# Altium PCB AN_IF_Converter_V1.0.PcbDoc (part 1 of 2) (continued)
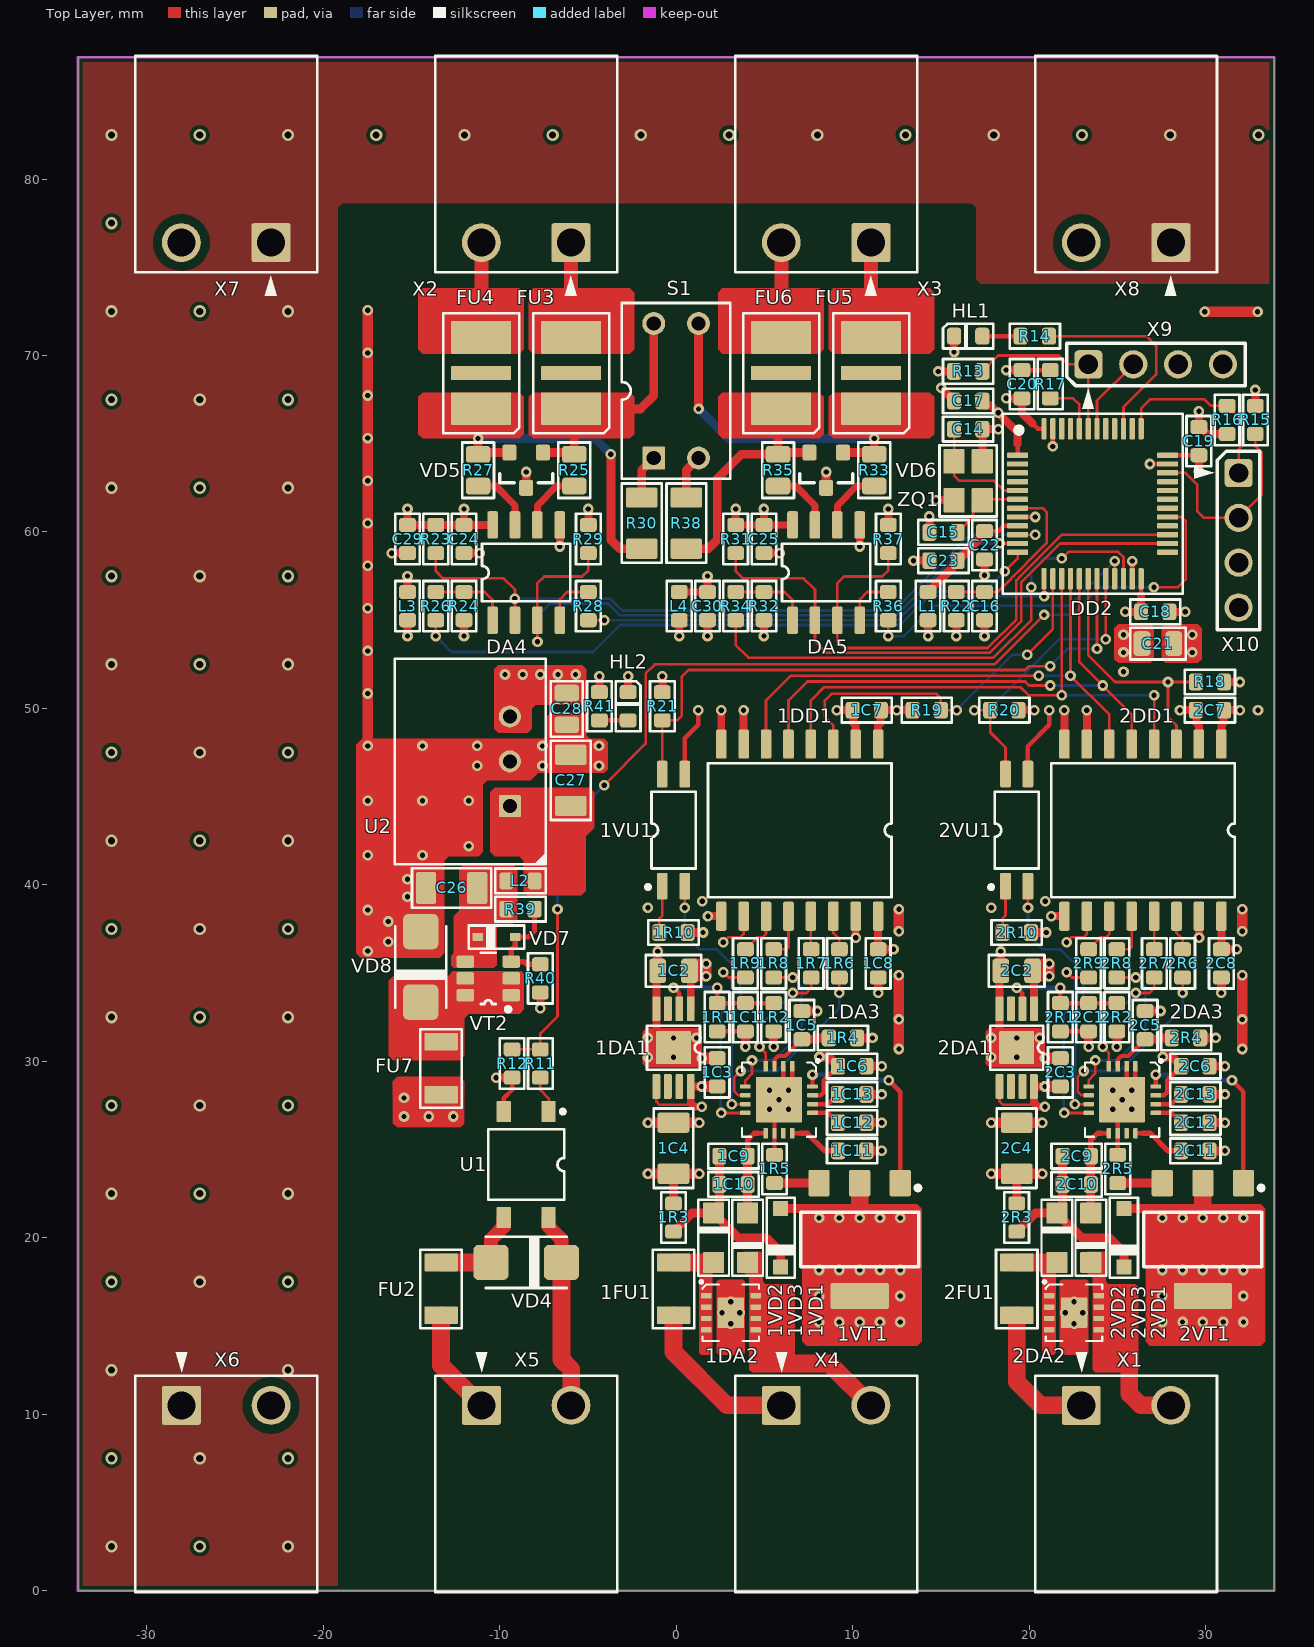
[diagram p0: Top Layer view]
## Components (designator, comment, footprint, x,y, rotation, side; value= is the part's Value field where it differs from the comment)
1C1 "1nF" C0603N 3.925,32.5 r90 top (schematic designator C1)
1C2 "4.7uF" C0805N -0.15,35.125 r180 top (schematic designator C2)
1C3 "0.1uF" C0603N 2.325,29.375 r270 top (schematic designator C3)
1C4 "4.7uF" C1206N -0.15,25.075 r90 top (schematic designator C4)
1C5 "0.1uF" C0603N 7.125,32.05 r90 top (schematic designator C5)
1C6 "0.1uF" C0603N 9.975,29.725 r180 top (schematic designator C6)
1C7 "0.1uF" C0603N 10.8,49.9 r180 top (schematic designator C7)
1C8 "0.1uF" C0603N 11.45,35.55 r90 top (schematic designator C8)
1C9 "0.1uF" C0603N 3.25,24.625 r0 top (schematic designator C9)
1C10 "1uF" C0603N 3.25,23.025 r0 top (schematic designator C10)
1C11 "2.2nF" C0603N 9.975,24.925 r180 top (schematic designator C11)
1C12 "2.2nF" C0603N 9.975,26.525 r180 top (schematic designator C12)
1C13 "2.2nF" C0603N 9.975,28.125 r180 top (schematic designator C13)
1DA1 "TPS79801QDGNRQ1" DGN0008B -0.15,30.775 r180 top (schematic designator DA1)
1DA2 "TVS3301DRBR" DRB0008A 3.1,15.75 r270 top (schematic designator DA2)
1DA3 "DAC161S997RGHR" RGH0016A 5.825,27.825 r180 top (schematic designator DA3)
1DD1 "ADUM1401ARWZ" SOIC16_W 7,43.1 r180 top (schematic designator DD1)
1FU1 "50mA" 0ZCJ_0.85 -0.15,17.1 r90 top (schematic designator FU1)
1R1 "158k" R0603N 2.325,32.5 r90 top (schematic designator R1)
1R2 "100k" R0603N 5.525,32.5 r270 top (schematic designator R2)
1R3 "100" R0603N -0.15,21.15 r270 top (schematic designator R3)
1R4 "22" R0603N 9.45,31.325 r180 top (schematic designator R4)
1R5 "22" R0603N 5.575,23.9 r90 top (schematic designator R5)
1R6 "22" R0603N 9.25,35.55 r90 top (schematic designator R6)
1R7 "22" R0603N 7.65,35.55 r90 top (schematic designator R7)
1R8 "22" R0603N 5.525,35.55 r90 top (schematic designator R8)
1R9 "22" R0603N 3.925,35.55 r90 top (schematic designator R9)
1R10 "300" R0603N -0.15,37.3 r180 top (schematic designator R10)
1VD1 "MMSZ5228BT1G" SOD123 5.925,20 r90 top (schematic designator VD1)
1VD2 "PMEG6010CEH,115" SOD123F 2.125,20 r270 top (schematic designator VD2)
1VD3 "PMEG6010CEH,115" SOD123F 4.05,20 r90 top (schematic designator VD3)
1VT1 "PZT3904T1G" SOT223 10.4,19.9 r270 top (schematic designator VT1)
1VU1 "FODM217AR2" "MFP4 2.5x4.4" -0.15,43.1 r0 top (schematic designator VU1)
2C1 "1nF" C0603N 23.375,32.5 r90 top (schematic designator C1)
2C2 "4.7uF" C0805N 19.3,35.125 r180 top (schematic designator C2)
2C3 "0.1uF" C0603N 21.775,29.375 r270 top (schematic designator C3)
2C4 "4.7uF" C1206N 19.3,25.075 r90 top (schematic designator C4)
2C5 "0.1uF" C0603N 26.575,32.05 r90 top (schematic designator C5)
2C6 "0.1uF" C0603N 29.425,29.725 r180 top (schematic designator C6)
2C7 "0.1uF" C0603N 30.25,49.9 r180 top (schematic designator C7)
2C8 "0.1uF" C0603N 30.9,35.55 r90 top (schematic designator C8)
2C9 "0.1uF" C0603N 22.7,24.625 r0 top (schematic designator C9)
2C10 "1uF" C0603N 22.7,23.025 r0 top (schematic designator C10)
2C11 "2.2nF" C0603N 29.425,24.925 r180 top (schematic designator C11)
2C12 "2.2nF" C0603N 29.425,26.525 r180 top (schematic designator C12)
2C13 "2.2nF" C0603N 29.425,28.125 r180 top (schematic designator C13)
2DA1 "TPS79801QDGNRQ1" DGN0008B 19.3,30.775 r180 top (schematic designator DA1)
2DA2 "TVS3301DRBR" DRB0008A 22.55,15.75 r270 top (schematic designator DA2)
2DA3 "DAC161S997RGHR" RGH0016A 25.275,27.825 r180 top (schematic designator DA3)
2DD1 "ADUM1401ARWZ" SOIC16_W 26.45,43.1 r180 top (schematic designator DD1)
2FU1 "50mA" 0ZCJ_0.85 19.3,17.1 r90 top (schematic designator FU1)
2R1 "158k" R0603N 21.775,32.5 r90 top (schematic designator R1)
2R2 "100k" R0603N 24.975,32.5 r270 top (schematic designator R2)
2R3 "100" R0603N 19.3,21.15 r270 top (schematic designator R3)
2R4 "22" R0603N 28.9,31.325 r180 top (schematic designator R4)
2R5 "22" R0603N 25.025,23.9 r90 top (schematic designator R5)
2R6 "22" R0603N 28.7,35.55 r90 top (schematic designator R6)
2R7 "22" R0603N 27.1,35.55 r90 top (schematic designator R7)
2R8 "22" R0603N 24.975,35.55 r90 top (schematic designator R8)
2R9 "22" R0603N 23.375,35.55 r90 top (schematic designator R9)
2R10 "300" R0603N 19.3,37.3 r180 top (schematic designator R10)
2VD1 "MMSZ5228BT1G" SOD123 25.375,20 r90 top (schematic designator VD1)
2VD2 "PMEG6010CEH,115" SOD123F 21.575,20 r270 top (schematic designator VD2)
2VD3 "PMEG6010CEH,115" SOD123F 23.5,20 r90 top (schematic designator VD3)
2VT1 "PZT3904T1G" SOT223 29.85,19.9 r270 top (schematic designator VT1)
2VU1 "FODM217AR2" "MFP4 2.5x4.4" 19.3,43.1 r0 top (schematic designator VU1)
C14 "10pF" C0603N 16.55,65.825 r0 top
C15 "10pF" C0603N 15.15,59.975 r180 top
C16 "0.1uF" C0603N 17.475,55.8 r270 top
C17 "0.1uF" C0603N 16.55,67.425 r0 top
C18 "0.1uF" C0603N 27.15,55.475 r180 top
C19 "0.1uF" C0603N 29.625,65.15 r270 top
C20 "0.1uF" C0603N 19.6,68.375 r270 top
C21 "4.7uF" C0805N 27.3,53.675 r180 top
C22 "0.1uF" C0603N 17.475,59.25 r90 top
C23 "1uF" C0603N 15.15,58.375 r180 top
C24 "0.1uF" C0603N -12.025,59.6 r270 top
C25 "0.1uF" C0603N 4.975,59.6 r270 top
C26 "4.7uF" C1206N -12.725,39.825 r180 top
C27 "4.7uF" C1206N -5.975,45.925 r90 top
C28 "4.7uF" C0805N -6.2,49.975 r90 top
C29 "1uF" C0603N -15.225,59.6 r270 top
C30 "1uF" C0603N 1.775,55.8 r270 top
DA4 "ADM3483ARZ" SOIC8 -8.5,57.7 r90 top
DA5 "ADM3483ARZ" SOIC8 8.5,57.7 r90 top
DD2 "STM32F103C8T6" LQFP48 23.6,61.6 r270 top
FU2 "50mA" 0ZCJ_0.85 -13.325,17.1 r90 top
FU3 "200mA" TBU-CA -5.95,69 r90 top
FU4 "200mA" TBU-CA -11.05,69 r90 top
FU5 "200mA" TBU-CA 11.05,69 r90 top
FU6 "200mA" TBU-CA 5.95,69 r90 top
FU7 "100mA" 0ZCJ_0.85 -13.325,29.6 r270 top
HL1 "KP-1608MGC" LED0603 16.55,71.1 r0 top
HL2 "KP-1608SURC" LED0603 -2.725,50.125 r270 top
L1 "600 @ 100MHz" FB0603N 14.275,55.8 r90 top
L2 "220 @ 100MHz" FB0603N -8.825,40.225 r0 top
L3 "220 @ 100MHz" FB0603N -15.225,55.8 r90 top
L4 "220 @ 100MHz" FB0603N 0.175,55.8 r90 top
R11 "560" R0603N -7.7,29.875 r90 top
R12 "10k" R0603N -9.3,29.875 r270 top
R13 "10k" R0603N 16.55,69.1 r180 top
R14 "1k" R0603N 20.325,71.1 r180 top
R15 "10k" R0603N 32.825,66.35 r90 top
R16 "10k" R0603N 31.225,66.35 r270 top
R17 "10k" R0603N 21.2,68.375 r90 top
R18 "10k" R0603N 30.25,51.5 r0 top
R19 "10k" R0603N 14.2,49.9 r180 top
R20 "10k" R0603N 18.6,49.9 r0 top
R21 "10k" R0603N -0.785,50.125 r90 top
R22 "10k" R0603N 15.875,55.8 r270 top
R23 "10k" R0603N -13.625,59.6 r270 top
R24 "10k" R0603N -12.025,55.8 r90 top
R25 "22" R0805N -5.775,63.5 r270 top
R26 "22" R0603N -13.625,55.8 r270 top
R27 "22" R0805N -11.225,63.5 r270 top
R28 "22" R0603N -4.975,55.8 r270 top
R29 "10k" R0603N -4.975,59.6 r90 top
R30 "120" R1206N -1.95,60.5 r270 top
R31 "10k" R0603N 3.375,59.6 r270 top
R32 "10k" R0603N 4.975,55.8 r90 top
R33 "22" R0805N 11.225,63.5 r270 top
R34 "22" R0603N 3.375,55.8 r270 top
R35 "22" R0805N 5.775,63.5 r270 top
R36 "22" R0603N 12.025,55.8 r270 top
R37 "10k" R0603N 12.025,59.6 r90 top
R38 "120" R1206N 0.575,60.5 r270 top
R39 "10k" R0603N -8.825,38.625 r0 top
R40 "10k" R0603N -7.7,34.7 r270 top
R41 "1k" R0603N -4.35,50.125 r270 top
S1 "DS1040-02RN" DIP_SWITCH_02P_STR_RA_TH 0,68 r0 top
U1 "PRAB31S" SOP4 -8.5,24.15 r180 top
U2 "R-78E3.3-0.5" DC-DC_SIP3 -11.675,47 r0 top
VD4 "SMAJ58CA-TR" SMA -8.5,18.6 r180 top
VD5 "CDSOT23-SM712" SOT23 -8.5,63.5 r180 top
VD6 "CDSOT23-SM712" SOT23 8.5,63.5 r180 top
VD7 "BZX384-B15,115" SOD323 -10.175,37.05 r0 top
VD8 "SMAJ24CA-TR" SMA -14.475,35.35 r90 top
VT2 "FDC5614P" TSOT23-6 -10.65,34.7 r90 top
X1 "2EDGR-5.08-02P-14-00A(H)" 2EDGR-5.08-02P-14-00A(H) 25.5,6.05 r0 top
X2 "2EDGR-5.08-02P-14-00A(H)" 2EDGR-5.08-02P-14-00A(H) -8.5,80.85 r180 top
X3 "2EDGR-5.08-02P-14-00A(H)" 2EDGR-5.08-02P-14-00A(H) 8.5,80.85 r180 top
X4 "2EDGR-5.08-02P-14-00A(H)" 2EDGR-5.08-02P-14-00A(H) 8.5,6.05 r0 top
X5 "2EDGR-5.08-02P-14-00A(H)" 2EDGR-5.08-02P-14-00A(H) -8.5,6.05 r0 top
X6 "2EDGR-5.08-02P-14-00A(H)" 2EDGR-5.08-02P-14-00A(H) -25.5,6.05 r0 top
X7 "2EDGR-5.08-02P-14-00A(H)" 2EDGR-5.08-02P-14-00A(H) -25.5,80.85 r180 top
X8 "2EDGR-5.08-02P-14-00A(H)" 2EDGR-5.08-02P-14-00A(H) 25.5,80.85 r180 top
X9 "DS1021-1X4SF11-B" 2.54_1X4_HEADER 27.175,69.5 r0 top
X10 "DS1021-1X4SF11-B" 2.54_1X4_HEADER 31.875,59.53 r270 top
ZQ1 "16MHz" NX3225GA 16.55,62.9 r90 top

## Footprints (in the part's own frame and the unit in brackets; to place one, negate y for a bottom-side part, rotate by r counter-clockwise, add the part's x,y. Pads: shape width x height; smd on the part's side, far side on the other; paste and mask are expansions set on the pad)
0ZCJ_0.85 [mm] "0ZCJ Surface Mount PTC, 0.85mm max height"
  rrect10% 1x1.9 smd: 1(-1.5,0) 2(1.5,0)
  silkscreen extent -2.22,-1.17 2.22,1.17, body extent -1.7,-0.85 1.7,0.85, height 0.71
2.54_1X4_HEADER [mm] "Header 2.54mm pitch, 4 pos, 1 row"
  rrect30% 1.6x1.6 hole 1.1: 1(-3.81,0)
  round 1.6 hole 1.1: 2(-1.27,0) 3(1.27,0) 4(3.81,0)
  silkscreen extent -5.04,-2.52 5.08,1.2, body extent -5.08,-1.27 5.08,1.27, height 8.57
2EDGR-5.08-02P-14-00A(H) [mm] "Pluggable terminal block, 5.08mm pitch, angled 90, 2 position"
  rrect10% 2.2x2.2 hole 1.6: 1(-2.54,4.45)
  round 2.2 hole 1.6: 2(2.54,4.45)
  silkscreen extent -5.15,-6.12 5.15,7.47, body extent -5.08,-6.05 5.08,6.05, height 8.3
C0603N [mm]
  rrect40% 0.8x0.95 smd: 1(-0.8,0) 2(0.8,0)
  silkscreen extent -1.43,-0.7 1.43,0.7, body extent -0.8,-0.4 0.8,0.4, height 0.81
C0805N [mm]
  rrect40% 0.95x1.4 smd: 1(-0.9,0) 2(0.9,0)
  silkscreen extent -1.58,-0.9 1.58,0.9, body extent -1,-0.62 1,0.63, height 1.26
C1206N [mm]
  rrect20% 1.15x1.8 smd: 1(-1.45,0) 2(1.45,0)
  silkscreen extent -2.25,-1.12 2.25,1.12, body extent -1.6,-0.8 1.6,0.8, height 1.61
DC-DC_SIP3 [mm] "DC-DC SIP3 Package, 11.6mm x 8.5mm, 10.4mm height"
  rrect10% 1.25x1.25 hole 0.8: 1(2.25,-2.54)
  round 1.25 hole 0.8: 2(2.25,0) 3(2.25,2.54)
  silkscreen extent -4.28,-5.82 4.28,5.82, body extent -4.25,-5.8 4.25,5.8, height 10.41
DGN0008B [mm] "DGN0008B (HVSSOP8) Package, 1.1mm height"
  rrect30% 0.45x1.4 smd mask+0.05: 1(-0.975,-2.2) 2(-0.325,-2.2) 3(0.325,-2.2) 4(0.975,-2.2) 5(0.975,2.2) 6(0.325,2.2) 7(-0.325,2.2) 8(-0.975,2.2)
  rrect5% 1.98x1.88 smd mask+0.05: 9(0,0)
  silkscreen extent -1.5,-1.25 1.5,1.25, body extent -1.5,-2.45 1.5,2.45, height 1.1
DIP_SWITCH_02P_STR_RA_TH [mm] "DIP Switch, 2 Poles, Straight, Raised Actuator, Through hole"
  rrect10% 1.3x1.3 hole 0.8 mask+0.05: 1(-1.27,-3.81)
  round 1.3 hole 0.8 mask+0.05: 2(1.27,-3.81) 3(1.27,3.81) 4(-1.27,3.81)
  silkscreen extent -3.08,-4.97 3.08,4.97, body extent -3.04,-4.95 3.04,4.95, height 6.9
DRB0008A [mm] "DRB0008A (VSON8)"
  rrect30% 0.31x0.6 smd mask+0.05: 1(-0.975,-1.4) 2(-0.325,-1.4) 3(0.325,-1.4) 4(0.975,-1.4) 5(0.975,1.4) 6(0.325,1.4) 7(-0.325,1.4) 8(-0.975,1.4)
  rrect10% 1.75x1.5 smd paste-10 mask+0.05: 9(0,0)
  Top Layer region: -1.7,-0.26 -1.7,-0.39 -1.696,-0.409 -1.685,-0.425 -1.669,-0.436 -1.65,-0.44 -1.65,-0.44 1.65,-0.44 1.669,-0.436 1.685,-0.425 1.696,-0.409 1.7,-0.39 1.7,-0.39 1.7,-0.26 1.696,-0.241 1.685,-0.225 1.669,-0.214 1.65,-0.21 1.65,-0.21 -1.65,-0.21 -1.669,-0.214 -1.685,-0.225 -1.696,-0.241 -1.7,-0.26
  Top Layer region: -1.7,0.26 -1.7,0.39 -1.696,0.409 -1.685,0.425 -1.669,0.436 -1.65,0.44 -1.65,0.44 1.65,0.44 1.669,0.436 1.685,0.425 1.696,0.409 1.7,0.39 1.7,0.39 1.7,0.26 1.696,0.241 1.685,0.225 1.669,0.214 1.65,0.21 1.65,0.21 -1.65,0.21 -1.669,0.214 -1.685,0.225 -1.696,0.241 -1.7,0.26
  silkscreen extent -1.82,-1.75 1.6,1.6, body extent -1.5,-1.5 1.5,1.5, height 0.77
FB0603N [mm] "Ferrite Bead 0603"
  rrect40% 0.8x0.95 smd: 1(-0.8,0) 2(0.8,0)
  silkscreen extent -1.43,-0.7 1.43,0.7, body extent -0.8,-0.4 0.8,0.4, height 0.8
LED0603 [mm] "LED SMD 0603"
  rrect40% 0.8x0.95 smd: 1(-0.8,0) 2(0.8,0)
  silkscreen extent -1.43,-0.7 1.43,0.7, body extent -0.8,-0.4 0.8,0.4, height 0.7
LQFP48 [mm] "Plastic quad flatpack (LQFP-48)"
  rrect35% 0.3x1.2 smd: 1(-2.75,-4.25) 2(-2.25,-4.25) 3(-1.75,-4.25) 4(-1.25,-4.25) 5(-0.75,-4.25) 6(-0.25,-4.25) 7(0.25,-4.25) 8(0.75,-4.25) 9(1.25,-4.25) 10(1.75,-4.25) 11(2.25,-4.25) 12(2.75,-4.25) 25(2.75,4.25) 26(2.25,4.25) 27(1.75,4.25) 28(1.25,4.25) 29(0.75,4.25) 30(0.25,4.25) 31(-0.25,4.25) 32(-0.75,4.25) 33(-1.25,4.25) 34(-1.75,4.25) 35(-2.25,4.25) 36(-2.75,4.25)
  rrect35% 1.2x0.3 smd: 13(4.25,-2.75) 14(4.25,-2.25) 15(4.25,-1.75) 16(4.25,-1.25) 17(4.25,-0.75) 18(4.25,-0.25) 19(4.25,0.25) 20(4.25,0.75) 21(4.25,1.25) 22(4.25,1.75) 23(4.25,2.25) 24(4.25,2.75) 37(-4.25,2.75) 38(-4.25,2.25) 39(-4.25,1.75) 40(-4.25,1.25) 41(-4.25,0.75) 42(-4.25,0.25) 43(-4.25,-0.25) 44(-4.25,-0.75) 45(-4.25,-1.25) 46(-4.25,-1.75) 47(-4.25,-2.25) 48(-4.25,-2.75)
  silkscreen extent -5.1,-5.1 5.1,5.1, body extent -4.51,-4.51 4.51,4.51, height 1.46
"MFP4 2.5x4.4" [mm] "MFP4 2.5x4.4, 1.27P  CASE 100AL  ISSUE O"
  rrect30% 0.61x1.52 smd: 1(-0.635,-3.175) 2(0.635,-3.175) 3(0.635,3.175) 4(-0.635,3.175)
  silkscreen extent -1.55,-3.32 1.25,2.17, body extent -1.43,-3.5 1.43,3.5, height 2.1
NX3225GA [mm] "Crystal Unit, 3.20mm x 2.50mm"
  rrect10% 1.4x1.2 smd: 1(-1.1,-0.8) 2(-1.1,0.8) 2(1.1,-0.8) 3(1.1,0.8)
  silkscreen extent -2.02,-1.63 2.02,1.63, body extent -1.65,-1.29 1.65,1.3, height 0.74
R0603N [mm]
  rrect40% 0.8x0.95 smd: 1(-0.8,0) 2(0.8,0)
  silkscreen extent -1.43,-0.7 1.43,0.7, body extent -0.8,-0.4 0.8,0.4, height 0.45
R0805N [mm]
  rrect40% 0.95x1.4 smd: 1(-0.9,0) 2(0.9,0)
  silkscreen extent -1.58,-0.9 1.58,0.9, body extent -1,-0.62 1,0.62, height 0.56
R1206N [mm]
  rrect20% 1.15x1.8 smd: 1(-1.45,0) 2(1.45,0)
  silkscreen extent -2.25,-1.12 2.25,1.12, body extent -1.55,-0.8 1.55,0.8, height 0.65
RGH0016A [mm] "WQFN16 with Exposed Pad, 4x4x0.8mm"
  rrect30% 0.25x0.6 smd: 1(-0.75,-1.9) 2(-0.25,-1.9) 3(0.25,-1.9) 4(0.75,-1.9) 9(0.75,1.9) 10(0.25,1.9) 11(-0.25,1.9) 12(-0.75,1.9)
  rrect30% 0.6x0.25 smd: 5(1.9,-0.75) 6(1.9,-0.25) 7(1.9,0.25) 8(1.9,0.75) 13(-1.9,0.75) 14(-1.9,0.25) 15(-1.9,-0.25) 16(-1.9,-0.75)
  rrect5% 2.6x2.6 smd paste-0.07: 17(0,0)
  silkscreen extent -2.28,-2.28 2.1,2.1, body extent -2,-2 2,2, height 0.77
SMA [mm] "SMA Package"
  rrect30% 2x2 smd: 1(-2,0) 2(2,0)
  silkscreen extent -2.3,-1.45 2.3,1.45, body extent -2.56,-1.35 2.56,1.35, height 1.96
SOD123 [mm] "SOD?123 CASE 425?04 ISSUE G"
  rrect10% 0.85x0.85 smd: 1(-1.65,0) 2(1.65,0)
  silkscreen extent -2.27,-0.8 2.27,0.8, body extent -1.85,-0.77 1.85,0.78, height 1.25
SOD123F [mm] "SOD123F Package"
  rrect10% 1.2x1.2 smd mask+0.05: 1(-1.4,0) 2(1.4,0)
  silkscreen extent -2.15,-0.88 2.15,0.87, body extent -1.9,-0.9 1.9,0.9, height 1.02
SOD323 [mm] "SOD323 Package"
  rrect10% 0.59x0.45 smd: 1(-1.06,0) 2(1.06,0)
  silkscreen extent -1.58,-0.67 1.58,0.68, body extent -1.3,-0.67 1.3,0.68, height 1.1
SOIC8 [mm] "SOIC8 - 1.75 mm max height"
  rrect30% 1.55x0.6 smd: 1(-2.7,1.905) 2(-2.7,0.635) 3(-2.7,-0.635) 4(-2.7,-1.905) 5(2.7,-1.905) 6(2.7,-0.635) 7(2.7,0.635) 8(2.7,1.905)
  silkscreen extent -1.63,-2.5 1.63,2.5, body extent -3.07,-2.44 3.07,2.45, height 1.73
SOIC16_W [mm] "16-Lead Standard Small Outline Package Wide Body"
  rrect30% 0.6x1.65 smd paste+0 mask+0.07: 1(-4.445,-4.875) 2(-3.175,-4.875) 3(-1.905,-4.875) 4(-0.635,-4.875) 5(0.635,-4.875) 6(1.905,-4.875) 7(3.175,-4.875) 8(4.445,-4.875) 9(4.445,4.875) 10(3.175,4.875) 11(1.905,4.875) 12(0.635,4.875) 13(-0.635,4.875) 14(-1.905,4.875) 15(-3.175,4.875) 16(-4.445,4.875)
  silkscreen extent -5.2,-3.8 5.2,3.8, body extent -5.15,-5.17 5.15,5.17, height 2.59
SOP4 [mm] "SOP Package, 4 pin,  0.173\", 4.4mm width"
  rrect10% 0.8x1.2 smd mask+0.05: 1(-1.27,-3) 2(1.27,-3) 3(1.27,3) 4(-1.27,3)
  silkscreen extent -2.17,-3.1 2.15,2, body extent -2.15,-3.4 2.15,3.4, height 2.1
SOT23 [mm]
  rrect30% 0.8x0.9 smd: 1(-0.95,-1) 2(0.95,-1) 3(0,1)
  silkscreen extent -1.5,0.2 1.5,0.7, body extent -1.5,-1.13 1.5,1.13, height 1.21
SOT223 [mm] "SOT223, 4-Leads, Body 6,50x7,00mm (avg), Pitch 2,30mm, IPC Medium Density"
  rrect15% 1.5x1.2 smd: 1(-3.2,2.3) 2(-3.2,0) 3(-3.2,-2.3)
  rrect15% 1.5x3.3 smd: 4(3.2,0)
  silkscreen extent -3.05,-3.35 1.55,3.43, body extent -3.5,-3.35 3.5,3.35, height 1.8
TBU-CA [mm] "TBU® High-Speed Protectors"
  rrect5% 1.85x3.4 smd mask+0.07: 1(-2.025,0) 3(2.025,0)
  rrect5% 0.8x3.4 smd mask+0.07: 2(0,0)
  silkscreen extent -3.4,-2.15 3.4,2.15, body extent -3.25,-2 3.25,2, height 0.85
TSOT23-6 [mm] "TSOT23 6 Lead, Case 419BL Issue A"
  rrect30% 0.7x1 smd: 1(-0.95,-1.3) 2(0,-1.3) 3(0.95,-1.3) 4(0.95,1.3) 5(0,1.3) 6(-0.95,1.3)
  silkscreen extent -1.87,-1.24 1.45,0.43, body extent -1.5,-1.4 1.5,1.4, height 0.99

## Part data
1C1 2C1: library part CL10B102KC8NNNC, "Конденсатор", Артикул=CL10B102KC8NNNC, Вид монтажа=SMD, Диэлектрик=X7R, Корпус="0603 (1608 Metric)", Напряжение=100V, Номинал=1nF, Описание="1000 pF ±10% 100V Ceramic Capacitor X7R 0603 (1608 Metric)", Производитель="Samsung Electro-Mechanics", Строка для документации=https://mm.digikey.com/Volume0/opasdata/d220001/medias/docus/1136/CL10B102KC8NNNC_Spec.pdf, Температурный диапазон="-55°C ~ 125°C", Тип элемента=Конденсатор, Точность=10%
1C2 2C2 C21 C28: library part CL21A475KAQNNNG, "Конденсатор", Артикул=CL21A475KAQNNNG, Вид монтажа=SMD, Диэлектрик=X5R, Корпус="0805 (2012 Metric)", Напряжение=25V, Номинал=4.7uF, Описание="4.7 µF ±10% 25V Ceramic Capacitor X5R 0805 (2012 Metric)", Производитель="Samsung Electro-Mechanics", Строка для документации=https://mm.digikey.com/Volume0/opasdata/d220001/medias/docus/41/CL21A475KAQNNNG_DS.pdf, Температурный диапазон="-55°C ~ 85°C", Тип элемента=Конденсатор, Точность=10%
1C3 1C5 1C6 1C7 1C8 1C9 2C3 2C5 2C6 2C7 2C8 2C9 C16 C17 C18 C19 C20 C22 C24 C25: library part CL10B104KB8NNNC, "Конденсатор", Артикул=CL10B104KB8NNNC, Вид монтажа=SMD, Диэлектрик=X7R, Корпус="0603 (1608 Metric)", Напряжение=50V, Номинал=0.1uF, Описание="0.1 µF ±10% 50V Ceramic Capacitor X7R 0603 (1608 Metric)", Производитель="Samsung Electro-Mechanics", Строка для документации=https://mm.digikey.com/Volume0/opasdata/d220001/medias/docus/609/CL10B104KB8NNNC_Spec.pdf, Температурный диапазон="-55°C ~ 125°C", Тип элемента=Конденсатор, Точность=10%
1C4 2C4 C26 C27: library part CC1206KKX7R9BB475, "Конденсатор", Артикул=CC1206KKX7R9BB475, Вид монтажа=SMD, Диэлектрик=X7R, Корпус="1206 (3216 Metric)", Напряжение=50V, Номинал=4.7uF, Описание="4.7 µF ±10% 50V Ceramic Capacitor X7R 1206 (3216 Metric)", Производитель=YAGEO, Строка для документации=ttps://www.yageo.com/upload/media/product/productsearch/datasheet/mlcc/UPY-NP0X7R_HV_1KV-to-3KV_13.pdf, Температурный диапазон="-55°C ~ 125°C", Тип элемента=Конденсатор, Точность=10%
1C10 2C10 C23 C29 C30: library part CC0603KRX7R9BB105, "Конденсатор", Артикул=CC0603KRX7R9BB105, Вид монтажа=SMD, Диэлектрик=X7R, Корпус="0603 (1608 Metric)", Напряжение=50V, Номинал=1uF, Описание="1 µF ±10% 50V Ceramic Capacitor X7R 0603 (1608 Metric)", Производитель=YAGEO, Строка для документации=https://www.yageo.com/upload/media/product/productsearch/datasheet/mlcc/UPY-GPHC_X7R_6.3V-to-250V_24.pdf, Температурный диапазон="-55°C ~ 125°C", Тип элемента=Конденсатор, Точность=10%
1C11 1C12 1C13 2C11 2C12 2C13: library part CC0603JRNPO9BN222, "Конденсатор", Артикул=CC0603JRNPO9BN222, Вид монтажа=SMD, Диэлектрик=NP0, Корпус="0603 (1608 Metric)", Напряжение=50V, Номинал=2.2nF, Описание="2200 pF ±5% 50V Ceramic Capacitor C0G, NP0 0603 (1608 Metric)", Производитель=YAGEO, Строка для документации=https://www.yageo.com/upload/media/product/productsearch/datasheet/mlcc/UPY-GPHC_X7R_6.3V-to-250V_24.pdf, Температурный диапазон="-55°C ~ 125°C", Тип элемента=Конденсатор, Точность=5%
1DA1 2DA1: "Микросхема линейный стабилизатор напряжения", Артикул=TPS79801QDGNRQ1, Вид монтажа=SMD, Корпус=8-HVSSOP, Описание="Linear Voltage Regulator IC Positive Adjustable 1 Output 50mA 8-HVSSOP", Производитель="Texas Instruments", Строка для документации=https://www.ti.com/lit/ds/symlink/tps798-q1.pdf, Температурный диапазон="-40°C ~ 125°C", Тип элемента=Микросхема
1DA2 2DA2: "Микросхема ограничитель выбросов напряжения", Артикул=TVS3301DRBR, Вид монтажа=SMD, Корпус="8-SON (3x3)", Напряжение=33V, Напряжение ограничения=42.5V, Напряжение пробоя=37.5V, Описание="Mixed Technology TVS Device Circuit 42.5V Surface Mount 8-SON (3x3)", Производитель="Texas Instruments", Строка для документации=https://www.ti.com/lit/ds/symlink/tvs3301.pdf, Температурный диапазон="-40°C ~ 125°C (TA)", Тип="TVS Unidirectional", Тип элемента="Диод защитный", Ток=27A
1DA3 2DA3: "Микросхема 16-бит ЦАП с токовым выходом 4-20mA", Артикул=DAC161S997RGHR, Вид монтажа=SMD, Корпус="16-WFQFN Exposed Pad", Описание="16-Bit SPI-Programmable DAC for 4-20 mA Loops 16-WQFN (4x4)", Производитель="Texas Instruments", Строка для документации=https://www.ti.com/lit/ds/symlink/dac161s997.pdf, Температурный диапазон="-40°C ~ 105°C", Тип элемента=Микросхема
1DD1 2DD1: "Микросхема цифровой изолятор интерфейса", Артикул=ADUM1401ARWZ, Вид монтажа=SMD, Корпус="16-SOIC (0.295\", 7.50mm Width)", Описание="General Purpose Digital Isolator 2500Vrms 4 Channel 1Mbps 25kV/µs CMTI 16-SOIC (0.295\", 7.50mm Width)", Производитель="Analog Devices Inc.", Строка для документации=https://www.analog.com/media/en/technical-documentation/data-sheets/ADuM1400_1401_1402.pdf, Температурный диапазон="-40°C ~ 105°C", Тип элемента=Микросхема
1FU1 2FU1 FU2: library part 0ZCJ0005FF2E, "Плавкий предохранитель", Артикул=0ZCJ0005FF2E, Вид монтажа=SMD, Корпус="1206 (3216 Metric), Concave", Напряжение=60V, Описание="Polymeric PTC Resettable Fuse 60V 50 mA Ih Surface Mount 1206 (3216 Metric), Concave", Производитель="Bel Fuse Inc.", Строка для документации=https://www.belfuse.com/resources/datasheets/circuitprotection/ds-cp-0zcj-series.pdf, Температурный диапазон="-40°C ~ 85°C", Тип="PTC Resettable Fuse", Тип элемента=Предохранитель, Ток=50mA